# Allegro board LED_FIN.brd (continued)
## Placement (name value [footprint] x y rotation side) (continued)
D2549  0603_LED  [0603_SINGLE]  213.25 376 0 top
D2550  0603_LED  [0603_SINGLE]  215.25 376 0 top
D2551  0603_LED  [0603_SINGLE]  157.25 374 0 top
D2552  0603_LED  [0603_SINGLE]  159.25 374 0 top
D2553  0603_LED  [0603_SINGLE]  161.25 374 0 top
D2554  0603_LED  [0603_SINGLE]  163.25 374 0 top
D2555  0603_LED  [0603_SINGLE]  165.25 374 0 top
D2556  0603_LED  [0603_SINGLE]  167.25 374 0 top
D2557  0603_LED  [0603_SINGLE]  169.25 374 0 top
D2558  0603_LED  [0603_SINGLE]  171.25 374 0 top
D2559  0603_LED  [0603_SINGLE]  173.25 374 0 top
D2560  0603_LED  [0603_SINGLE]  175.25 374 0 top
D2561  0603_LED  [0603_SINGLE]  177.25 374 0 top
D2562  0603_LED  [0603_SINGLE]  179.25 374 0 top
D2563  0603_LED  [0603_SINGLE]  181.25 374 0 top
D2564  0603_LED  [0603_SINGLE]  183.25 374 0 top
D2565  0603_LED  [0603_SINGLE]  185.25 374 0 top
D2566  0603_LED  [0603_SINGLE]  187.25 374 0 top
D2567  0603_LED  [0603_SINGLE]  189.25 374 0 top
D2568  0603_LED  [0603_SINGLE]  191.25 374 0 top
D2569  0603_LED  [0603_SINGLE]  193.25 374 0 top
D2570  0603_LED  [0603_SINGLE]  195.25 374 0 top
D2571  0603_LED  [0603_SINGLE]  197.25 374 0 top
D2572  0603_LED  [0603_SINGLE]  199.25 374 0 top
D2573  0603_LED  [0603_SINGLE]  201.25 374 0 top
D2574  0603_LED  [0603_SINGLE]  203.25 374 0 top
D2575  0603_LED  [0603_SINGLE]  205.25 374 0 top
D2576  0603_LED  [0603_SINGLE]  207.25 374 0 top
D2577  0603_LED  [0603_SINGLE]  209.25 374 0 top
D2578  0603_LED  [0603_SINGLE]  211.25 374 0 top
D2579  0603_LED  [0603_SINGLE]  213.25 374 0 top
D2580  0603_LED  [0603_SINGLE]  215.25 374 0 top
D2581  0603_LED  [0603_SINGLE]  157.25 372 0 top
D2582  0603_LED  [0603_SINGLE]  159.25 372 0 top
D2583  0603_LED  [0603_SINGLE]  161.25 372 0 top
D2584  0603_LED  [0603_SINGLE]  163.25 372 0 top
D2585  0603_LED  [0603_SINGLE]  165.25 372 0 top
D2586  0603_LED  [0603_SINGLE]  167.25 372 0 top
D2587  0603_LED  [0603_SINGLE]  169.25 372 0 top
D2588  0603_LED  [0603_SINGLE]  171.25 372 0 top
D2589  0603_LED  [0603_SINGLE]  173.25 372 0 top
D2590  0603_LED  [0603_SINGLE]  175.25 372 0 top
D2591  0603_LED  [0603_SINGLE]  177.25 372 0 top
D2592  0603_LED  [0603_SINGLE]  179.25 372 0 top
D2593  0603_LED  [0603_SINGLE]  181.25 372 0 top
D2594  0603_LED  [0603_SINGLE]  183.25 372 0 top
D2595  0603_LED  [0603_SINGLE]  185.25 372 0 top
D2596  0603_LED  [0603_SINGLE]  187.25 372 0 top
D2597  0603_LED  [0603_SINGLE]  189.25 372 0 top
D2598  0603_LED  [0603_SINGLE]  191.25 372 0 top
D2599  0603_LED  [0603_SINGLE]  193.25 372 0 top
D2600  0603_LED  [0603_SINGLE]  195.25 372 0 top
D2601  0603_LED  [0603_SINGLE]  197.25 372 0 top
D2602  0603_LED  [0603_SINGLE]  199.25 372 0 top
D2603  0603_LED  [0603_SINGLE]  201.25 372 0 top
D2604  0603_LED  [0603_SINGLE]  203.25 372 0 top
D2605  0603_LED  [0603_SINGLE]  205.25 372 0 top
D2606  0603_LED  [0603_SINGLE]  207.25 372 0 top
D2607  0603_LED  [0603_SINGLE]  209.25 372 0 top
D2608  0603_LED  [0603_SINGLE]  211.25 372 0 top
D2609  0603_LED  [0603_SINGLE]  213.25 372 0 top
D2610  0603_LED  [0603_SINGLE]  215.25 372 0 top
D2611  0603_LED  [0603_SINGLE]  157.25 370 0 top
D2612  0603_LED  [0603_SINGLE]  159.25 370 0 top
D2613  0603_LED  [0603_SINGLE]  161.25 370 0 top
D2614  0603_LED  [0603_SINGLE]  163.25 370 0 top
D2615  0603_LED  [0603_SINGLE]  165.25 370 0 top
D2616  0603_LED  [0603_SINGLE]  167.25 370 0 top
D2617  0603_LED  [0603_SINGLE]  169.25 370 0 top
D2618  0603_LED  [0603_SINGLE]  171.25 370 0 top
D2619  0603_LED  [0603_SINGLE]  173.25 370 0 top
D2620  0603_LED  [0603_SINGLE]  175.25 370 0 top
D2621  0603_LED  [0603_SINGLE]  177.25 370 0 top
D2622  0603_LED  [0603_SINGLE]  179.25 370 0 top
D2623  0603_LED  [0603_SINGLE]  181.25 370 0 top
D2624  0603_LED  [0603_SINGLE]  183.25 370 0 top
D2625  0603_LED  [0603_SINGLE]  185.25 370 0 top
D2626  0603_LED  [0603_SINGLE]  187.25 370 0 top
D2627  0603_LED  [0603_SINGLE]  189.25 370 0 top
D2628  0603_LED  [0603_SINGLE]  191.25 370 0 top
D2629  0603_LED  [0603_SINGLE]  193.25 370 0 top
D2630  0603_LED  [0603_SINGLE]  195.25 370 0 top
D2631  0603_LED  [0603_SINGLE]  197.25 370 0 top
D2632  0603_LED  [0603_SINGLE]  199.25 370 0 top
D2633  0603_LED  [0603_SINGLE]  201.25 370 0 top
D2634  0603_LED  [0603_SINGLE]  203.25 370 0 top
D2635  0603_LED  [0603_SINGLE]  205.25 370 0 top
D2636  0603_LED  [0603_SINGLE]  207.25 370 0 top
D2637  0603_LED  [0603_SINGLE]  209.25 370 0 top
D2638  0603_LED  [0603_SINGLE]  211.25 370 0 top
D2639  0603_LED  [0603_SINGLE]  213.25 370 0 top
D2640  0603_LED  [0603_SINGLE]  215.25 370 0 top
D2641  0603_LED  [0603_SINGLE]  157.25 368 0 top
D2642  0603_LED  [0603_SINGLE]  159.25 368 0 top
D2643  0603_LED  [0603_SINGLE]  161.25 368 0 top
D2644  0603_LED  [0603_SINGLE]  163.25 368 0 top
D2645  0603_LED  [0603_SINGLE]  165.25 368 0 top
D2646  0603_LED  [0603_SINGLE]  167.25 368 0 top
D2647  0603_LED  [0603_SINGLE]  169.25 368 0 top
D2648  0603_LED  [0603_SINGLE]  171.25 368 0 top
D2649  0603_LED  [0603_SINGLE]  173.25 368 0 top
D2650  0603_LED  [0603_SINGLE]  175.25 368 0 top
D2651  0603_LED  [0603_SINGLE]  177.25 368 0 top
D2652  0603_LED  [0603_SINGLE]  179.25 368 0 top
D2653  0603_LED  [0603_SINGLE]  181.25 368 0 top
D2654  0603_LED  [0603_SINGLE]  183.25 368 0 top
D2655  0603_LED  [0603_SINGLE]  185.25 368 0 top
D2656  0603_LED  [0603_SINGLE]  187.25 368 0 top
D2657  0603_LED  [0603_SINGLE]  189.25 368 0 top
D2658  0603_LED  [0603_SINGLE]  191.25 368 0 top
D2659  0603_LED  [0603_SINGLE]  193.25 368 0 top
D2660  0603_LED  [0603_SINGLE]  195.25 368 0 top
D2661  0603_LED  [0603_SINGLE]  197.25 368 0 top
D2662  0603_LED  [0603_SINGLE]  199.25 368 0 top
D2663  0603_LED  [0603_SINGLE]  201.25 368 0 top
D2664  0603_LED  [0603_SINGLE]  203.25 368 0 top
D2665  0603_LED  [0603_SINGLE]  205.25 368 0 top
D2666  0603_LED  [0603_SINGLE]  207.25 368 0 top
D2667  0603_LED  [0603_SINGLE]  209.25 368 0 top
D2668  0603_LED  [0603_SINGLE]  211.25 368 0 top
D2669  0603_LED  [0603_SINGLE]  213.25 368 0 top
D2670  0603_LED  [0603_SINGLE]  215.25 368 0 top
D2671  0603_LED  [0603_SINGLE]  157.25 366 0 top
D2672  0603_LED  [0603_SINGLE]  159.25 366 0 top
D2673  0603_LED  [0603_SINGLE]  161.25 366 0 top
D2674  0603_LED  [0603_SINGLE]  163.25 366 0 top
D2675  0603_LED  [0603_SINGLE]  165.25 366 0 top
D2676  0603_LED  [0603_SINGLE]  167.25 366 0 top
D2677  0603_LED  [0603_SINGLE]  169.25 366 0 top
D2678  0603_LED  [0603_SINGLE]  171.25 366 0 top
D2679  0603_LED  [0603_SINGLE]  173.25 366 0 top
D2680  0603_LED  [0603_SINGLE]  175.25 366 0 top
D2681  0603_LED  [0603_SINGLE]  177.25 366 0 top
D2682  0603_LED  [0603_SINGLE]  179.25 366 0 top
D2683  0603_LED  [0603_SINGLE]  181.25 366 0 top
D2684  0603_LED  [0603_SINGLE]  183.25 366 0 top
D2685  0603_LED  [0603_SINGLE]  185.25 366 0 top
D2686  0603_LED  [0603_SINGLE]  187.25 366 0 top
D2687  0603_LED  [0603_SINGLE]  189.25 366 0 top
D2688  0603_LED  [0603_SINGLE]  191.25 366 0 top
D2689  0603_LED  [0603_SINGLE]  193.25 366 0 top
D2690  0603_LED  [0603_SINGLE]  195.25 366 0 top
D2691  0603_LED  [0603_SINGLE]  197.25 366 0 top
D2692  0603_LED  [0603_SINGLE]  199.25 366 0 top
D2693  0603_LED  [0603_SINGLE]  201.25 366 0 top
D2694  0603_LED  [0603_SINGLE]  203.25 366 0 top
D2695  0603_LED  [0603_SINGLE]  205.25 366 0 top
D2696  0603_LED  [0603_SINGLE]  207.25 366 0 top
D2697  0603_LED  [0603_SINGLE]  209.25 366 0 top
D2698  0603_LED  [0603_SINGLE]  211.25 366 0 top
D2699  0603_LED  [0603_SINGLE]  213.25 366 0 top
D2700  0603_LED  [0603_SINGLE]  215.25 366 0 top
D2701  0603_LED  [0603_SINGLE]  157.25 364 0 top
D2702  0603_LED  [0603_SINGLE]  159.25 364 0 top
D2703  0603_LED  [0603_SINGLE]  161.25 364 0 top
D2704  0603_LED  [0603_SINGLE]  163.25 364 0 top
D2705  0603_LED  [0603_SINGLE]  165.25 364 0 top
D2706  0603_LED  [0603_SINGLE]  167.25 364 0 top
D2707  0603_LED  [0603_SINGLE]  169.25 364 0 top
D2708  0603_LED  [0603_SINGLE]  171.25 364 0 top
D2709  0603_LED  [0603_SINGLE]  173.25 364 0 top
D2710  0603_LED  [0603_SINGLE]  175.25 364 0 top
D2711  0603_LED  [0603_SINGLE]  177.25 364 0 top
D2712  0603_LED  [0603_SINGLE]  179.25 364 0 top
D2713  0603_LED  [0603_SINGLE]  181.25 364 0 top
D2714  0603_LED  [0603_SINGLE]  183.25 364 0 top
D2715  0603_LED  [0603_SINGLE]  185.25 364 0 top
D2716  0603_LED  [0603_SINGLE]  187.25 364 0 top
D2717  0603_LED  [0603_SINGLE]  189.25 364 0 top
D2718  0603_LED  [0603_SINGLE]  191.25 364 0 top
D2719  0603_LED  [0603_SINGLE]  193.25 364 0 top
D2720  0603_LED  [0603_SINGLE]  195.25 364 0 top
D2721  0603_LED  [0603_SINGLE]  197.25 364 0 top
D2722  0603_LED  [0603_SINGLE]  199.25 364 0 top
D2723  0603_LED  [0603_SINGLE]  201.25 364 0 top
D2724  0603_LED  [0603_SINGLE]  203.25 364 0 top
D2725  0603_LED  [0603_SINGLE]  205.25 364 0 top
D2726  0603_LED  [0603_SINGLE]  207.25 364 0 top
D2727  0603_LED  [0603_SINGLE]  209.25 364 0 top
D2728  0603_LED  [0603_SINGLE]  211.25 364 0 top
D2729  0603_LED  [0603_SINGLE]  213.25 364 0 top
D2730  0603_LED  [0603_SINGLE]  215.25 364 0 top
D2731  0603_LED  [0603_SINGLE]  157.25 362 0 top
D2732  0603_LED  [0603_SINGLE]  159.25 362 0 top
D2733  0603_LED  [0603_SINGLE]  161.25 362 0 top
D2734  0603_LED  [0603_SINGLE]  163.25 362 0 top
D2735  0603_LED  [0603_SINGLE]  165.25 362 0 top
D2736  0603_LED  [0603_SINGLE]  167.25 362 0 top
D2737  0603_LED  [0603_SINGLE]  169.25 362 0 top
D2738  0603_LED  [0603_SINGLE]  171.25 362 0 top
D2739  0603_LED  [0603_SINGLE]  173.25 362 0 top
D2740  0603_LED  [0603_SINGLE]  175.25 362 0 top
D2741  0603_LED  [0603_SINGLE]  177.25 362 0 top
D2742  0603_LED  [0603_SINGLE]  179.25 362 0 top
D2743  0603_LED  [0603_SINGLE]  181.25 362 0 top
D2744  0603_LED  [0603_SINGLE]  183.25 362 0 top
D2745  0603_LED  [0603_SINGLE]  185.25 362 0 top
D2746  0603_LED  [0603_SINGLE]  187.25 362 0 top
D2747  0603_LED  [0603_SINGLE]  189.25 362 0 top
D2748  0603_LED  [0603_SINGLE]  191.25 362 0 top
D2749  0603_LED  [0603_SINGLE]  193.25 362 0 top
D2750  0603_LED  [0603_SINGLE]  195.25 362 0 top
D2751  0603_LED  [0603_SINGLE]  197.25 362 0 top
D2752  0603_LED  [0603_SINGLE]  199.25 362 0 top
D2753  0603_LED  [0603_SINGLE]  201.25 362 0 top
D2754  0603_LED  [0603_SINGLE]  203.25 362 0 top
D2755  0603_LED  [0603_SINGLE]  205.25 362 0 top
D2756  0603_LED  [0603_SINGLE]  207.25 362 0 top
D2757  0603_LED  [0603_SINGLE]  209.25 362 0 top
D2758  0603_LED  [0603_SINGLE]  211.25 362 0 top
D2759  0603_LED  [0603_SINGLE]  213.25 362 0 top
D2760  0603_LED  [0603_SINGLE]  215.25 362 0 top
D2761  0603_LED  [0603_SINGLE]  157.25 360 0 top
D2762  0603_LED  [0603_SINGLE]  159.25 360 0 top
D2763  0603_LED  [0603_SINGLE]  161.25 360 0 top
D2764  0603_LED  [0603_SINGLE]  163.25 360 0 top
D2765  0603_LED  [0603_SINGLE]  165.25 360 0 top
D2766  0603_LED  [0603_SINGLE]  167.25 360 0 top
D2767  0603_LED  [0603_SINGLE]  169.25 360 0 top
D2768  0603_LED  [0603_SINGLE]  171.25 360 0 top
D2769  0603_LED  [0603_SINGLE]  173.25 360 0 top
D2770  0603_LED  [0603_SINGLE]  175.25 360 0 top
D2771  0603_LED  [0603_SINGLE]  177.25 360 0 top
D2772  0603_LED  [0603_SINGLE]  179.25 360 0 top
D2773  0603_LED  [0603_SINGLE]  181.25 360 0 top
D2774  0603_LED  [0603_SINGLE]  183.25 360 0 top
D2775  0603_LED  [0603_SINGLE]  185.25 360 0 top
D2776  0603_LED  [0603_SINGLE]  187.25 360 0 top
D2777  0603_LED  [0603_SINGLE]  189.25 360 0 top
D2778  0603_LED  [0603_SINGLE]  191.25 360 0 top
D2779  0603_LED  [0603_SINGLE]  193.25 360 0 top
D2780  0603_LED  [0603_SINGLE]  195.25 360 0 top
D2781  0603_LED  [0603_SINGLE]  197.25 360 0 top
D2782  0603_LED  [0603_SINGLE]  199.25 360 0 top
D2783  0603_LED  [0603_SINGLE]  201.25 360 0 top
D2784  0603_LED  [0603_SINGLE]  203.25 360 0 top
D2785  0603_LED  [0603_SINGLE]  205.25 360 0 top
D2786  0603_LED  [0603_SINGLE]  207.25 360 0 top
D2787  0603_LED  [0603_SINGLE]  209.25 360 0 top
D2788  0603_LED  [0603_SINGLE]  211.25 360 0 top
D2789  0603_LED  [0603_SINGLE]  213.25 360 0 top
D2790  0603_LED  [0603_SINGLE]  215.25 360 0 top
D2791  0603_LED  [0603_SINGLE]  157.25 358 0 top
D2792  0603_LED  [0603_SINGLE]  159.25 358 0 top
D2793  0603_LED  [0603_SINGLE]  161.25 358 0 top
D2794  0603_LED  [0603_SINGLE]  163.25 358 0 top
D2795  0603_LED  [0603_SINGLE]  165.25 358 0 top
D2796  0603_LED  [0603_SINGLE]  167.25 358 0 top
D2797  0603_LED  [0603_SINGLE]  169.25 358 0 top
D2798  0603_LED  [0603_SINGLE]  171.25 358 0 top
D2799  0603_LED  [0603_SINGLE]  173.25 358 0 top
D2800  0603_LED  [0603_SINGLE]  175.25 358 0 top
D2801  0603_LED  [0603_SINGLE]  177.25 358 0 top
D2802  0603_LED  [0603_SINGLE]  179.25 358 0 top
D2803  0603_LED  [0603_SINGLE]  181.25 358 0 top
D2804  0603_LED  [0603_SINGLE]  183.25 358 0 top
D2805  0603_LED  [0603_SINGLE]  185.25 358 0 top
D2806  0603_LED  [0603_SINGLE]  187.25 358 0 top
D2807  0603_LED  [0603_SINGLE]  189.25 358 0 top
D2808  0603_LED  [0603_SINGLE]  191.25 358 0 top
D2809  0603_LED  [0603_SINGLE]  193.25 358 0 top
D2810  0603_LED  [0603_SINGLE]  195.25 358 0 top
D2811  0603_LED  [0603_SINGLE]  197.25 358 0 top
D2812  0603_LED  [0603_SINGLE]  199.25 358 0 top
D2813  0603_LED  [0603_SINGLE]  201.25 358 0 top
D2814  0603_LED  [0603_SINGLE]  203.25 358 0 top
D2815  0603_LED  [0603_SINGLE]  205.25 358 0 top
D2816  0603_LED  [0603_SINGLE]  207.25 358 0 top
D2817  0603_LED  [0603_SINGLE]  209.25 358 0 top
D2818  0603_LED  [0603_SINGLE]  211.25 358 0 top
D2819  0603_LED  [0603_SINGLE]  213.25 358 0 top
D2820  0603_LED  [0603_SINGLE]  215.25 358 0 top
D2821  0603_LED  [0603_SINGLE]  157.25 356 0 top
D2822  0603_LED  [0603_SINGLE]  159.25 356 0 top
D2823  0603_LED  [0603_SINGLE]  161.25 356 0 top
D2824  0603_LED  [0603_SINGLE]  163.25 356 0 top
D2825  0603_LED  [0603_SINGLE]  165.25 356 0 top
D2826  0603_LED  [0603_SINGLE]  167.25 356 0 top
D2827  0603_LED  [0603_SINGLE]  169.25 356 0 top
D2828  0603_LED  [0603_SINGLE]  171.25 356 0 top
D2829  0603_LED  [0603_SINGLE]  173.25 356 0 top
D2830  0603_LED  [0603_SINGLE]  175.25 356 0 top
D2831  0603_LED  [0603_SINGLE]  177.25 356 0 top
D2832  0603_LED  [0603_SINGLE]  179.25 356 0 top
D2833  0603_LED  [0603_SINGLE]  181.25 356 0 top
D2834  0603_LED  [0603_SINGLE]  183.25 356 0 top
D2835  0603_LED  [0603_SINGLE]  185.25 356 0 top
D2836  0603_LED  [0603_SINGLE]  187.25 356 0 top
D2837  0603_LED  [0603_SINGLE]  189.25 356 0 top
D2838  0603_LED  [0603_SINGLE]  191.25 356 0 top
D2839  0603_LED  [0603_SINGLE]  193.25 356 0 top
D2840  0603_LED  [0603_SINGLE]  195.25 356 0 top
D2841  0603_LED  [0603_SINGLE]  197.25 356 0 top
D2842  0603_LED  [0603_SINGLE]  199.25 356 0 top
D2843  0603_LED  [0603_SINGLE]  201.25 356 0 top
D2844  0603_LED  [0603_SINGLE]  203.25 356 0 top
D2845  0603_LED  [0603_SINGLE]  205.25 356 0 top
D2846  0603_LED  [0603_SINGLE]  207.25 356 0 top
D2847  0603_LED  [0603_SINGLE]  209.25 356 0 top
D2848  0603_LED  [0603_SINGLE]  211.25 356 0 top
D2849  0603_LED  [0603_SINGLE]  213.25 356 0 top
D2850  0603_LED  [0603_SINGLE]  215.25 356 0 top
D2851  0603_LED  [0603_SINGLE]  157.25 354 0 top
D2852  0603_LED  [0603_SINGLE]  159.25 354 0 top
D2853  0603_LED  [0603_SINGLE]  161.25 354 0 top
D2854  0603_LED  [0603_SINGLE]  163.25 354 0 top
D2855  0603_LED  [0603_SINGLE]  165.25 354 0 top
D2856  0603_LED  [0603_SINGLE]  167.25 354 0 top
D2857  0603_LED  [0603_SINGLE]  169.25 354 0 top
D2858  0603_LED  [0603_SINGLE]  171.25 354 0 top
D2859  0603_LED  [0603_SINGLE]  173.25 354 0 top
D2860  0603_LED  [0603_SINGLE]  175.25 354 0 top
D2861  0603_LED  [0603_SINGLE]  177.25 354 0 top
D2862  0603_LED  [0603_SINGLE]  179.25 354 0 top
D2863  0603_LED  [0603_SINGLE]  181.25 354 0 top
D2864  0603_LED  [0603_SINGLE]  183.25 354 0 top
D2865  0603_LED  [0603_SINGLE]  185.25 354 0 top
D2866  0603_LED  [0603_SINGLE]  187.25 354 0 top
D2867  0603_LED  [0603_SINGLE]  189.25 354 0 top
D2868  0603_LED  [0603_SINGLE]  191.25 354 0 top
D2869  0603_LED  [0603_SINGLE]  193.25 354 0 top
D2870  0603_LED  [0603_SINGLE]  195.25 354 0 top
D2871  0603_LED  [0603_SINGLE]  197.25 354 0 top
D2872  0603_LED  [0603_SINGLE]  199.25 354 0 top
D2873  0603_LED  [0603_SINGLE]  201.25 354 0 top
D2874  0603_LED  [0603_SINGLE]  203.25 354 0 top
D2875  0603_LED  [0603_SINGLE]  205.25 354 0 top
D2876  0603_LED  [0603_SINGLE]  207.25 354 0 top
D2877  0603_LED  [0603_SINGLE]  209.25 354 0 top
D2878  0603_LED  [0603_SINGLE]  211.25 354 0 top
D2879  0603_LED  [0603_SINGLE]  213.25 354 0 top
D2880  0603_LED  [0603_SINGLE]  215.25 354 0 top
D2881  0603_LED  [0603_SINGLE]  157.25 352 0 top
D2882  0603_LED  [0603_SINGLE]  159.25 352 0 top
D2883  0603_LED  [0603_SINGLE]  161.25 352 0 top
D2884  0603_LED  [0603_SINGLE]  163.25 352 0 top
D2885  0603_LED  [0603_SINGLE]  165.25 352 0 top
D2886  0603_LED  [0603_SINGLE]  167.25 352 0 top
D2887  0603_LED  [0603_SINGLE]  169.25 352 0 top
D2888  0603_LED  [0603_SINGLE]  171.25 352 0 top
D2889  0603_LED  [0603_SINGLE]  173.25 352 0 top
D2890  0603_LED  [0603_SINGLE]  175.25 352 0 top
D2891  0603_LED  [0603_SINGLE]  177.25 352 0 top
D2892  0603_LED  [0603_SINGLE]  179.25 352 0 top
D2893  0603_LED  [0603_SINGLE]  181.25 352 0 top
D2894  0603_LED  [0603_SINGLE]  183.25 352 0 top
D2895  0603_LED  [0603_SINGLE]  185.25 352 0 top
D2896  0603_LED  [0603_SINGLE]  187.25 352 0 top
D2897  0603_LED  [0603_SINGLE]  189.25 352 0 top
D2898  0603_LED  [0603_SINGLE]  191.25 352 0 top
D2899  0603_LED  [0603_SINGLE]  193.25 352 0 top
D2900  0603_LED  [0603_SINGLE]  195.25 352 0 top
D2901  0603_LED  [0603_SINGLE]  197.25 352 0 top
D2902  0603_LED  [0603_SINGLE]  199.25 352 0 top
D2903  0603_LED  [0603_SINGLE]  201.25 352 0 top
D2904  0603_LED  [0603_SINGLE]  203.25 352 0 top
D2905  0603_LED  [0603_SINGLE]  205.25 352 0 top
D2906  0603_LED  [0603_SINGLE]  207.25 352 0 top
D2907  0603_LED  [0603_SINGLE]  209.25 352 0 top
D2908  0603_LED  [0603_SINGLE]  211.25 352 0 top
D2909  0603_LED  [0603_SINGLE]  213.25 352 0 top
D2910  0603_LED  [0603_SINGLE]  215.25 352 0 top
D2911  0603_LED  [0603_SINGLE]  157.25 350 0 top
D2912  0603_LED  [0603_SINGLE]  159.25 350 0 top
D2913  0603_LED  [0603_SINGLE]  161.25 350 0 top
D2914  0603_LED  [0603_SINGLE]  163.25 350 0 top
D2915  0603_LED  [0603_SINGLE]  165.25 350 0 top
D2916  0603_LED  [0603_SINGLE]  167.25 350 0 top
D2917  0603_LED  [0603_SINGLE]  169.25 350 0 top
D2918  0603_LED  [0603_SINGLE]  171.25 350 0 top
D2919  0603_LED  [0603_SINGLE]  173.25 350 0 top
D2920  0603_LED  [0603_SINGLE]  175.25 350 0 top
D2921  0603_LED  [0603_SINGLE]  177.25 350 0 top
D2922  0603_LED  [0603_SINGLE]  179.25 350 0 top
D2923  0603_LED  [0603_SINGLE]  181.25 350 0 top
D2924  0603_LED  [0603_SINGLE]  183.25 350 0 top
D2925  0603_LED  [0603_SINGLE]  185.25 350 0 top
D2926  0603_LED  [0603_SINGLE]  187.25 350 0 top
D2927  0603_LED  [0603_SINGLE]  189.25 350 0 top
D2928  0603_LED  [0603_SINGLE]  191.25 350 0 top
D2929  0603_LED  [0603_SINGLE]  193.25 350 0 top
D2930  0603_LED  [0603_SINGLE]  195.25 350 0 top
D2931  0603_LED  [0603_SINGLE]  197.25 350 0 top
D2932  0603_LED  [0603_SINGLE]  199.25 350 0 top
D2933  0603_LED  [0603_SINGLE]  201.25 350 0 top
D2934  0603_LED  [0603_SINGLE]  203.25 350 0 top
D2935  0603_LED  [0603_SINGLE]  205.25 350 0 top
D2936  0603_LED  [0603_SINGLE]  207.25 350 0 top
D2937  0603_LED  [0603_SINGLE]  209.25 350 0 top
D2938  0603_LED  [0603_SINGLE]  211.25 350 0 top
D2939  0603_LED  [0603_SINGLE]  213.25 350 0 top
D2940  0603_LED  [0603_SINGLE]  215.25 350 0 top
D2941  0603_LED  [0603_SINGLE]  157.25 348 0 top
D2942  0603_LED  [0603_SINGLE]  159.25 348 0 top
D2943  0603_LED  [0603_SINGLE]  161.25 348 0 top
D2944  0603_LED  [0603_SINGLE]  163.25 348 0 top
D2945  0603_LED  [0603_SINGLE]  165.25 348 0 top
D2946  0603_LED  [0603_SINGLE]  167.25 348 0 top
D2947  0603_LED  [0603_SINGLE]  169.25 348 0 top
D2948  0603_LED  [0603_SINGLE]  171.25 348 0 top
D2949  0603_LED  [0603_SINGLE]  173.25 348 0 top
D2950  0603_LED  [0603_SINGLE]  175.25 348 0 top
D2951  0603_LED  [0603_SINGLE]  177.25 348 0 top
D2952  0603_LED  [0603_SINGLE]  179.25 348 0 top
D2953  0603_LED  [0603_SINGLE]  181.25 348 0 top
D2954  0603_LED  [0603_SINGLE]  183.25 348 0 top
D2955  0603_LED  [0603_SINGLE]  185.25 348 0 top
D2956  0603_LED  [0603_SINGLE]  187.25 348 0 top
D2957  0603_LED  [0603_SINGLE]  189.25 348 0 top
D2958  0603_LED  [0603_SINGLE]  191.25 348 0 top
D2959  0603_LED  [0603_SINGLE]  193.25 348 0 top
D2960  0603_LED  [0603_SINGLE]  195.25 348 0 top
D2961  0603_LED  [0603_SINGLE]  197.25 348 0 top
D2962  0603_LED  [0603_SINGLE]  199.25 348 0 top
D2963  0603_LED  [0603_SINGLE]  201.25 348 0 top
D2964  0603_LED  [0603_SINGLE]  203.25 348 0 top
D2965  0603_LED  [0603_SINGLE]  205.25 348 0 top
D2966  0603_LED  [0603_SINGLE]  207.25 348 0 top
D2967  0603_LED  [0603_SINGLE]  209.25 348 0 top
D2968  0603_LED  [0603_SINGLE]  211.25 348 0 top
D2969  0603_LED  [0603_SINGLE]  213.25 348 0 top
D2970  0603_LED  [0603_SINGLE]  215.25 348 0 top
D2971  0603_LED  [0603_SINGLE]  157.25 346 0 top
D2972  0603_LED  [0603_SINGLE]  159.25 346 0 top
D2973  0603_LED  [0603_SINGLE]  161.25 346 0 top
D2974  0603_LED  [0603_SINGLE]  163.25 346 0 top
D2975  0603_LED  [0603_SINGLE]  165.25 346 0 top
D2976  0603_LED  [0603_SINGLE]  167.25 346 0 top
D2977  0603_LED  [0603_SINGLE]  169.25 346 0 top
D2978  0603_LED  [0603_SINGLE]  171.25 346 0 top
D2979  0603_LED  [0603_SINGLE]  173.25 346 0 top
D2980  0603_LED  [0603_SINGLE]  175.25 346 0 top
D2981  0603_LED  [0603_SINGLE]  177.25 346 0 top
D2982  0603_LED  [0603_SINGLE]  179.25 346 0 top
D2983  0603_LED  [0603_SINGLE]  181.25 346 0 top
D2984  0603_LED  [0603_SINGLE]  183.25 346 0 top
D2985  0603_LED  [0603_SINGLE]  185.25 346 0 top
D2986  0603_LED  [0603_SINGLE]  187.25 346 0 top
D2987  0603_LED  [0603_SINGLE]  189.25 346 0 top
D2988  0603_LED  [0603_SINGLE]  191.25 346 0 top
D2989  0603_LED  [0603_SINGLE]  193.25 346 0 top
D2990  0603_LED  [0603_SINGLE]  195.25 346 0 top
D2991  0603_LED  [0603_SINGLE]  197.25 346 0 top
D2992  0603_LED  [0603_SINGLE]  199.25 346 0 top
D2993  0603_LED  [0603_SINGLE]  201.25 346 0 top
D2994  0603_LED  [0603_SINGLE]  203.25 346 0 top
D2995  0603_LED  [0603_SINGLE]  205.25 346 0 top
D2996  0603_LED  [0603_SINGLE]  207.25 346 0 top
D2997  0603_LED  [0603_SINGLE]  209.25 346 0 top
D2998  0603_LED  [0603_SINGLE]  211.25 346 0 top
D2999  0603_LED  [0603_SINGLE]  213.25 346 0 top
D3000  0603_LED  [0603_SINGLE]  215.25 346 0 top
D3001  0603_LED  [0603_SINGLE]  157.25 344 0 top
D3002  0603_LED  [0603_SINGLE]  159.25 344 0 top
D3003  0603_LED  [0603_SINGLE]  161.25 344 0 top
D3004  0603_LED  [0603_SINGLE]  163.25 344 0 top
D3005  0603_LED  [0603_SINGLE]  165.25 344 0 top
D3006  0603_LED  [0603_SINGLE]  167.25 344 0 top
D3007  0603_LED  [0603_SINGLE]  169.25 344 0 top
D3008  0603_LED  [0603_SINGLE]  171.25 344 0 top
D3009  0603_LED  [0603_SINGLE]  173.25 344 0 top
D3010  0603_LED  [0603_SINGLE]  175.25 344 0 top
D3011  0603_LED  [0603_SINGLE]  177.25 344 0 top
D3012  0603_LED  [0603_SINGLE]  179.25 344 0 top
D3013  0603_LED  [0603_SINGLE]  181.25 344 0 top
D3014  0603_LED  [0603_SINGLE]  183.25 344 0 top
D3015  0603_LED  [0603_SINGLE]  185.25 344 0 top
D3016  0603_LED  [0603_SINGLE]  187.25 344 0 top
D3017  0603_LED  [0603_SINGLE]  189.25 344 0 top
D3018  0603_LED  [0603_SINGLE]  191.25 344 0 top
D3019  0603_LED  [0603_SINGLE]  193.25 344 0 top
D3020  0603_LED  [0603_SINGLE]  195.25 344 0 top
D3021  0603_LED  [0603_SINGLE]  197.25 344 0 top
D3022  0603_LED  [0603_SINGLE]  199.25 344 0 top
D3023  0603_LED  [0603_SINGLE]  201.25 344 0 top
D3024  0603_LED  [0603_SINGLE]  203.25 344 0 top
D3025  0603_LED  [0603_SINGLE]  205.25 344 0 top
D3026  0603_LED  [0603_SINGLE]  207.25 344 0 top
D3027  0603_LED  [0603_SINGLE]  209.25 344 0 top
D3028  0603_LED  [0603_SINGLE]  211.25 344 0 top
D3029  0603_LED  [0603_SINGLE]  213.25 344 0 top
D3030  0603_LED  [0603_SINGLE]  215.25 344 0 top
D3031  0603_LED  [0603_SINGLE]  157.25 342 0 top
D3032  0603_LED  [0603_SINGLE]  159.25 342 0 top
D3033  0603_LED  [0603_SINGLE]  161.25 342 0 top
D3034  0603_LED  [0603_SINGLE]  163.25 342 0 top
D3035  0603_LED  [0603_SINGLE]  165.25 342 0 top
D3036  0603_LED  [0603_SINGLE]  167.25 342 0 top
D3037  0603_LED  [0603_SINGLE]  169.25 342 0 top
D3038  0603_LED  [0603_SINGLE]  171.25 342 0 top
D3039  0603_LED  [0603_SINGLE]  173.25 342 0 top
D3040  0603_LED  [0603_SINGLE]  175.25 342 0 top
D3041  0603_LED  [0603_SINGLE]  177.25 342 0 top
D3042  0603_LED  [0603_SINGLE]  179.25 342 0 top
D3043  0603_LED  [0603_SINGLE]  181.25 342 0 top
D3044  0603_LED  [0603_SINGLE]  183.25 342 0 top
D3045  0603_LED  [0603_SINGLE]  185.25 342 0 top
D3046  0603_LED  [0603_SINGLE]  187.25 342 0 top
D3047  0603_LED  [0603_SINGLE]  189.25 342 0 top
D3048  0603_LED  [0603_SINGLE]  191.25 342 0 top
D3049  0603_LED  [0603_SINGLE]  193.25 342 0 top
D3050  0603_LED  [0603_SINGLE]  195.25 342 0 top
D3051  0603_LED  [0603_SINGLE]  197.25 342 0 top
D3052  0603_LED  [0603_SINGLE]  199.25 342 0 top
D3053  0603_LED  [0603_SINGLE]  201.25 342 0 top
D3054  0603_LED  [0603_SINGLE]  203.25 342 0 top
D3055  0603_LED  [0603_SINGLE]  205.25 342 0 top
D3056  0603_LED  [0603_SINGLE]  207.25 342 0 top
D3057  0603_LED  [0603_SINGLE]  209.25 342 0 top
